# KiCad board yddraig030.kicad_pcb (continued)
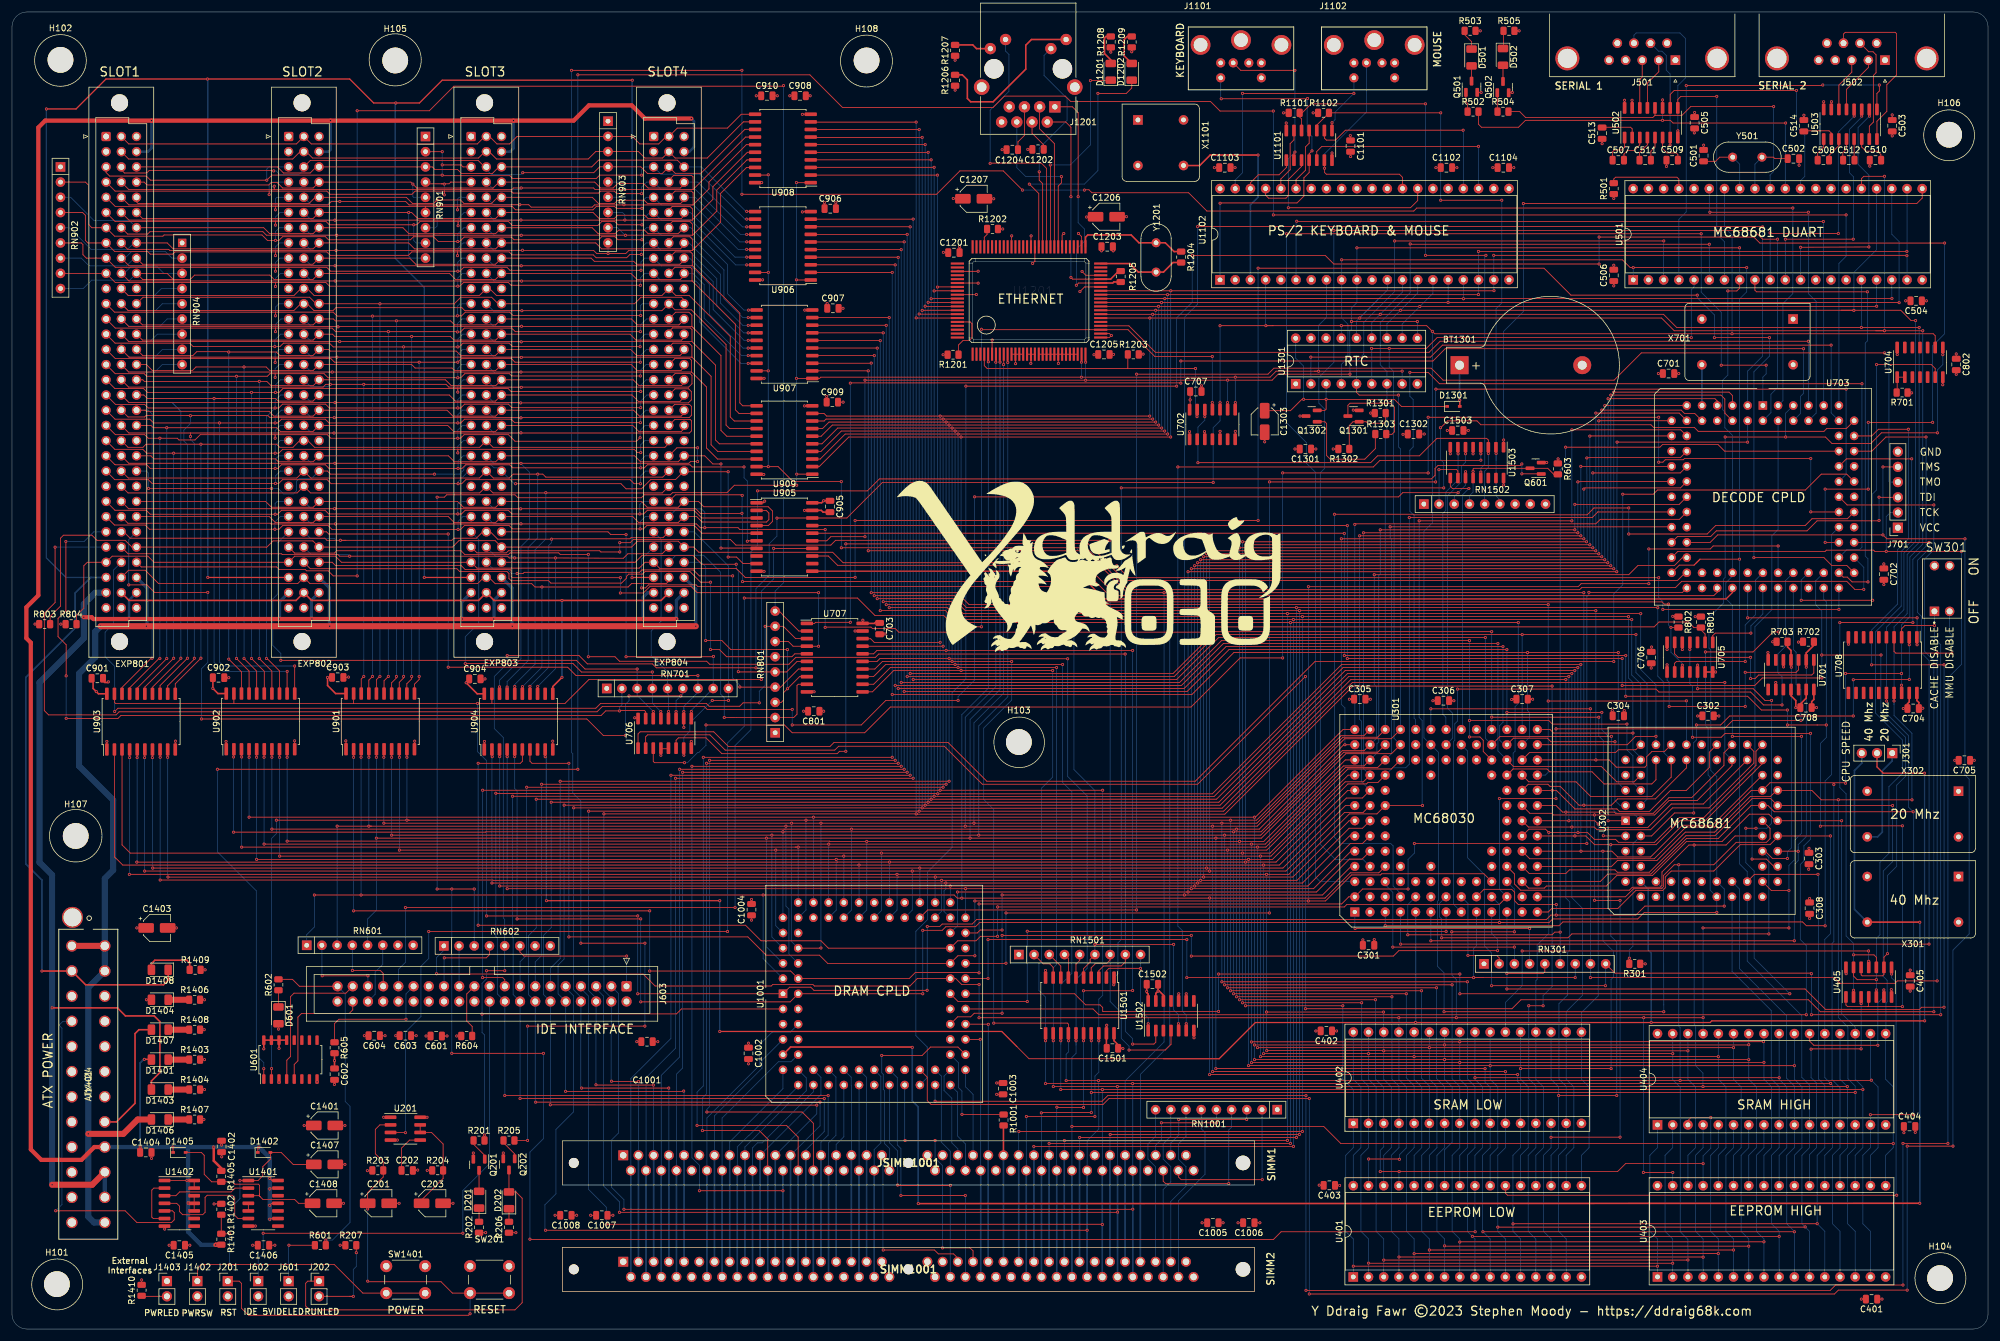
[diagram p0: board, top side]
## Routing (per net, layer and track width the routed paths; a pad name or vN(x,y) marks a point on that pad's centre or on a via; arc(x,y) is an arc through that point) (continued)
  Bottom w0.254: JSIMM1001.24 SIMM1001.24
/ROM and SRAM/D7: length 379
  Top w0.127: v1(147.5,107.5) 195.3,107.5 202.3,114.5 v1(248.15,114.5) ; U301.L11 250.76,93.95 265.45,93.95 268,91.4 270.89,91.4 U302.64 ; v1(116.05,36.25) 131.95,36.25 133.83,34.37 JSIMM1001.26 ; v1(147.5,95) v1(116.5,95) ; U906.3 147.48,177.77 v1(147.5,177.75)
  Bottom w0.127: v1(147.5,177.75) v1(147.5,107.5) v1(147.5,95) ; U301.L11 248.15,96.56 v1(248.15,114.5) ; v1(116.05,36.25) 116.05,36.7 116.5,37.15 v1(116.5,95)
  Bottom w0.254: SIMM1001.26 JSIMM1001.26
/ROM and SRAM/D8: length 379.9
  Top w0.127: U301.N13 256.86,100.14 257.45,99.55 v1(270.7,99.55) ; v1(146,167.65) 145.97,167.68 U907.8 ; v1(168.15,33) v1(215.5,33) ; v1(146,121) 156.6,121 158.6,119 v1(215.5,119) v1(269.95,119)
  Bottom w0.127: U302.62 272.01,95.44 270.7,96.75 v1(270.7,99.55) 270.7,100.13 270.69,100.14 270.69,108.01 269.95,108.75 v1(269.95,119) ; v1(168.15,33) 168.12,32.97 JSIMM1001.49 ; v1(146,167.65) v1(146,121) ; v1(215.5,33) v1(215.5,119)
  Bottom w0.254: JSIMM1001.49 SIMM1001.49
/ROM and SRAM/D9: length 379.1
  Top w0.127: U301.M11 253.43,96.3 267.8,96.3 268.26,96.76 271.17,96.76 U302.60 ; v1(170.65,30.5) v1(214,30.5) ; v1(270.5,118.5) v1(214,118.5) 158.2,118.5 156.2,120.5 v1(146.5,120.5) ; v1(146.5,168.95) 146.5,168.94 U907.9
  Bottom w0.127: U302.60 272.01,107.74 270.5,109.25 v1(270.5,118.5) ; v1(146.5,168.95) v1(146.5,120.5) ; JSIMM1001.51 170.66,30.49 v1(170.65,30.5) ; v1(214,30.5) v1(214,118.5)
  Bottom w0.254: JSIMM1001.51 SIMM1001.51
/ROM and SRAM/D10: length 367.1
  Top w0.127: v1(145,165.1) 144.97,165.13 U907.6 ; U302.59 274.55,91.75 273.85,91.05 265.9,91.05 263.88,93.07 256.82,93.07 256.35,93.55 250.68,93.55 U301.L10 ; v1(145,120) 155.9,120 157.9,118 v1(213.5,118) v1(251.55,118) ; v1(173.2,31) v1(213.5,31)
  Bottom w0.127: v1(213.5,31) v1(213.5,118) ; v1(251.55,118) 251.55,104.5 251.01,103.96 251.01,96.51 250.7,96.2 250.7,93.57 U301.L10 ; v1(145,165.1) v1(145,120) ; JSIMM1001.53 v1(173.2,31)
  Bottom w0.254: JSIMM1001.53 SIMM1001.53
/ROM and SRAM/D11: length 372.9
  Top w0.127: v1(175.75,31.5) v1(213,31.5) ; U301.N12 269.75,97.6 271.15,99 274.54,99 v1(274.55,99) ; U907.7 145.5,166.41 v1(145.5,166.4) ; v1(272,119.5) v1(213,119.5) 158.85,119.5 156.85,121.5 v1(145.5,121.5)
  Bottom w0.127: JSIMM1001.55 175.74,31.49 v1(175.75,31.5) ; U302.58 v1(274.55,99) 274.55,107.6 272,110.15 v1(272,119.5) ; v1(145.5,166.4) v1(145.5,121.5) ; v1(213,31.5) v1(213,119.5)
  Bottom w0.254: JSIMM1001.55 SIMM1001.55
/ROM and SRAM/D12: length 384.6
  Top w0.127: U302.57 277.09,92.19 273.85,88.95 263.65,88.95 261.2,91.4 253.31,91.4 U301.M10 ; U907.4 144,162.59 v1(144,162.6) ; v1(178.3,32) v1(214.5,32) ; v1(274.85,120.5) v1(214.5,120.5) 159.4,120.5 157.4,122.5 v1(144,122.5)
  Bottom w0.127: U302.57 275.85,96.3 275.85,108.05 274.85,109.05 v1(274.85,120.5) ; v1(144,122.5) v1(144,162.6) ; JSIMM1001.57 178.28,31.98 v1(178.3,32) ; v1(214.5,32) v1(214.5,120.5)
  Bottom w0.254: JSIMM1001.57 SIMM1001.57
/ROM and SRAM/D13: length 364.1
  Top w0.127: U301.N11 v1(264.51,95.06) 266.74,95.06 267.95,93.85 272.7,93.85 273,94.15 273,95.6 273.85,96.45 275.95,96.45 275.95,96.46 U302.56 ; v1(264.5,120) v1(215,120) 159.2,120 157.2,122 v1(144.5,122) ; U907.5 144.49,163.87 v1(144.5,163.85) ; v1(183.4,32.5) v1(215,32.5)
  Bottom w0.127: v1(144.5,163.85) v1(144.5,122) ; v1(264.51,95.06) 264.5,95.07 v1(264.5,120) ; JSIMM1001.61 183.36,32.46 v1(183.4,32.5) ; v1(215,32.5) v1(215,120)
  Bottom w0.254: JSIMM1001.61 SIMM1001.61
/ROM and SRAM/D14: length 345
  Top w0.127: v1(143,130) 179.25,130 186.25,123 v1(192.4,123) v1(262.5,123) ; v1(143,160.05) 143,160.06 U907.2 ; U302.55 279.63,93.73 274.45,88.55 268.15,88.55 267.1,87.5 v1(262.5,87.5) 261.7,87.5 258.55,90.65 256.85,90.65 256.5,91 253.21,91 U301.M9
  Bottom w0.127: v1(143,160.05) v1(143,130) ; v1(262.5,87.5) v1(262.5,123) ; v1(192.4,123) 192.4,47.95 185.9,41.45 JSIMM1001.63
  Bottom w0.254: SIMM1001.63 JSIMM1001.63
/ROM and SRAM/D15: length 334.3
  Top w0.127: v1(143.5,161.35) 143.47,161.32 U907.3 ; v1(143.5,123) 157.85,123 159.85,121 v1(193.35,121) v1(256.55,121) ; v1(256.55,104.9) 279.6,104.9
  Bottom w0.127: JSIMM1001.65 188.44,42.54 193.35,47.45 v1(193.35,121) ; v1(143.5,161.35) v1(143.5,123) ; v1(256.55,121) v1(256.55,104.9) 256.55,93 256.07,92.52 U301.N10 ; U302.54 v1(279.63,104.93)
  Bottom w0.254: JSIMM1001.65 SIMM1001.65
/ROM and SRAM/D16: length 528.8
  Top w0.127: v1(98.85,86.05) v1(151,86.05) 151.01,86.04 151.21,86.04 151.25,86 202.55,86 223.95,107.4 v1(257.2,107.4) ; v1(104.62,41.35) 100.18,41.35 v1(100.12,41.4) ; v1(253.3,54) v1(255.7,54) ; v1(151,201.6) 133.44,201.6 U908.9 ; U1201.95 151.03,168.88 v1(151,168.9) ; U301.N9 v1(257.23,89.98) 257.92,89.98 261.02,86.88 268.02,86.88 268.45,86.45 273.45,86.45 276.95,89.95 279.6,89.95 283.45,93.8 283.45,96.34 U302.50
  Bottom w0.127: v1(253.3,54) 253.3,41.8 254.48,40.62 U402.13 254.48,30.29 253.21,29.02 253.21,16.32 254.48,15.05 U401.13 ; v1(100.12,41.4) 100.06,41.46 100.06,49.76 100.09,49.79 J603.4 100.09,55.31 98.85,56.55 v1(98.85,86.05) ; JSIMM1001.3 104.62,41.34 v1(104.62,41.35) ; v1(151,168.9) 151,169.5 ; 151,169.5 v1(151,86.05) ; 151,169.5 v1(151,201.6) ; 257.2,89.45 257.2,57.2 255.7,55.7 v1(255.7,54) ; 257.2,89.45 257.2,89.75 ; 257.2,89.45 v1(257.2,107.4)
  Bottom w0.254: JSIMM1001.3 SIMM1001.3
/ROM and SRAM/D17: length 572.4
  Top w0.127: v1(151.5,200.35) 133.42,200.35 U908.8 ; v1(151.5,169.55) 151.53,169.53 U1201.94 ; v1(107.12,40.75) 97.58,40.75 v1(97.53,40.8) ; v1(264.28,71.62) 264.3,71.6 v1(268.55,71.6) ; v1(96.3,86.5) 96.21,86.51 151.49,86.51 v1(151.5,86.5) 202.35,86.5 223.85,108 v1(286.05,108) ; v1(268.55,32.05) 257.05,32.05 v1(257.02,32.02) ; U301.M8 253.48,86.15 257.15,86.15 257.43,85.87 v1(264.28,85.87) 274.32,85.87 276.75,88.3 281.45,88.3 287.25,94.1 U302.49
  Bottom w0.127: v1(96.3,86.5) 96.3,56.53 97.55,55.28 J603.6 97.55,49.35 97.53,49.32 v1(97.53,40.8) ; U302.49 286.05,96.26 v1(286.05,108) ; U401.14 257.02,15.05 255.75,16.32 255.75,29.02 257.02,30.29 v1(257.02,32.02) U402.14 ; v1(107.12,40.75) 107.16,40.72 JSIMM1001.5 ; v1(264.28,85.87) v1(264.28,71.62) ; v1(151.5,86.5) v1(151.5,169.55) v1(151.5,200.35) ; v1(268.55,32.05) v1(268.55,71.6)
  Bottom w0.254: JSIMM1001.5 SIMM1001.5
/ROM and SRAM/D18: length 543.5
  Top w0.127: 133.4,199.1 133.45,199.05 v1(152,199.05) ; U302.48 285.9,96.25 285.9,94.15 280.5,88.75 276.7,88.75 274.1,86.15 267.8,86.15 267.6,86.35 v1(259.5,86.35) 258.95,86.35 257.86,87.44 U301.N8 ; v1(93.8,87.05) v1(152,87.05) 152.05,87 202.1,87 223.6,108.5 v1(259.5,108.5) ; v1(152,170.15) 152.03,170.18 U1201.93 ; v1(109.68,40.25) v1(95.12,40.25)
  Bottom w0.127: U401.15 259.56,15.05 258.29,16.32 258.29,29.02 259.56,30.29 U402.15 259.56,40.54 258.35,41.75 258.35,54.35 259.8,55.8 259.8,62.9 260.15,63.25 260.15,71.35 259.5,72 v1(259.5,86.35) v1(259.5,108.5) ; v1(95.12,40.25) 94.98,40.39 94.98,49.37 95.01,49.39 J603.8 95.01,55.44 93.75,56.7 93.75,87 v1(93.8,87.05) ; v1(152,87.05) v1(152,170.15) v1(152,199.05) ; v1(109.68,40.25) 109.7,40.22 JSIMM1001.7
  Bottom w0.254: JSIMM1001.7 SIMM1001.7
/ROM and SRAM/D19: length 535.5
  Top w0.127: v1(152.5,197.85) 133.41,197.85 U908.6 ; U1201.92 152.53,170.82 v1(152.5,170.85) ; U301.N7 v1(260,84.9) 264.35,84.9 v1(264.9,84.35) 265.45,83.8 273.2,83.8 277.1,87.7 282.45,87.7 289.79,95.04 U302.47 ; v1(92.21,87.51) 152.49,87.51 v1(152.5,87.5) 201.75,87.5 223.25,109 v1(260,109) ; v1(112.18,39.75) 112.12,39.7 v1(92.45,39.7)
  Bottom w0.127: U401.17 262.1,29.02 263.37,30.29 263.37,40.45 262.1,41.72 U402.17 262.1,52.85 264.9,55.65 v1(264.9,84.35) ; v1(92.21,87.51) 92.2,87.5 92.2,61.8 91.2,60.8 91.2,55.98 J603.10 92.47,49.47 92.44,49.44 92.44,39.73 v1(92.45,39.7) ; JSIMM1001.9 112.24,39.69 v1(112.18,39.75) ; v1(152.5,197.85) v1(152.5,170.85) v1(152.5,87.5) ; v1(260,109) v1(260,84.9)
  Bottom w0.254: SIMM1001.9 JSIMM1001.9
/ROM and SRAM/D20: length 573.5
  Top w0.127: v1(260.5,109.5) 223.05,109.5 201.55,88 v1(153,88) v1(90.05,88) ; U301.M7 253.24,83.85 264.25,83.85 264.7,83.4 273.65,83.4 277.3,87.05 283.4,87.05 290.9,94.55 290.9,96.49 U302.46 ; v1(153,196.55) 133.41,196.55 133.4,196.56 ; U1201.91 153.03,171.47 v1(153,171.5) ; v1(134.4,37.4) v1(89.9,37.45)
  Bottom w0.127: v1(153,196.55) v1(153,171.5) v1(153,88) ; v1(89.9,37.45) 89.93,37.63 J603.12 88.75,55.89 88.75,65.75 90.05,67.05 v1(90.05,88) ; JSIMM1001.21 134.4,35.94 v1(134.4,37.4) ; U401.18 259.56,29.02 260.83,30.29 260.83,40.45 259.56,41.72 U402.18 259.56,53.01 262.3,55.75 262.3,70.25 260.5,72.05 v1(260.5,83.85) v1(260.5,109.5)
  Bottom w0.254: SIMM1001.21 JSIMM1001.21
/ROM and SRAM/D21: length 592.3
  Top w0.127: v1(153.5,172.1) 153.53,172.12 U1201.90 ; v1(87.55,88.5) v1(153.5,88.5) 201.15,88.5 222.65,110 v1(261,110) ; v1(268,39) 258.3,39 v1(258.29,39.01) ; U301.N6 v1(261.01,82.36) 262.84,82.36 264.3,80.9 v1(267,80.9) 274.55,80.9 278.55,84.9 282.75,84.9 292.33,94.48 U302.45 ; U908.4 133.4,195.3 v1(153.5,195.3) ; v1(134.95,37.9) v1(87.45,37.9)
  Bottom w0.127: v1(153.5,195.3) v1(153.5,172.1) v1(153.5,88.5) ; v1(261.01,82.36) 261,82.37 v1(261,110) ; v1(134.95,37.9) 134.95,33.95 JSIMM1001.23 ; v1(267,80.9) 267,65.65 268,64.65 v1(268,39) ; v1(87.55,88.5) 87.55,67 86.25,65.7 86.25,55.85 J603.14 87.39,37.96 v1(87.45,37.9) ; U402.19 257.02,41.72 258.29,40.45 v1(258.29,39.01) 258.29,30.29 257.02,29.02 U401.19
  Bottom w0.254: SIMM1001.23 JSIMM1001.23
/ROM and SRAM/D22: length 585
  Top w0.127: U302.44 291.25,96.52 291.25,94.15 282.55,85.45 278.45,85.45 274.3,81.3 268.3,81.3 267.8,81.8 264.25,81.8 263.12,82.93 v1(261.52,82.93) 256.68,82.93 v1(256.65,82.95) 256.1,83.5 253.33,83.5 U301.M6 ; v1(83.6,89) v1(154,89) 154.06,88.94 200.74,88.94 222.3,110.5 v1(261.5,110.5) ; v1(154,194.05) 133.42,194.05 133.4,194.03 ; v1(135.65,38.5) v1(84.85,38.5) ; U1201.88 154.03,173.43 v1(154,173.4)
  Bottom w0.127: v1(83.6,89) 83.6,65.4 83.7,65.3 83.7,55.86 J603.16 v1(84.85,38.5) ; v1(154,89) v1(154,173.4) v1(154,194.05) ; JSIMM1001.25 132.56,29.91 135.65,33 v1(135.65,38.5) ; v1(256.65,82.95) 256.65,66.1 254.7,64.15 254.7,58.4 254.48,58.18 U402.20 254.48,41.72 255.75,40.45 255.75,30.29 254.48,29.02 U401.20 ; v1(261.52,82.93) 261.5,82.95 v1(261.5,110.5)
  Bottom w0.254: JSIMM1001.25 SIMM1001.25
/ROM and SRAM/D23: length 605.3
  Top w0.127: v1(136.3,39) v1(82.3,39) ; v1(262,111) 222.05,111 200.45,89.4 v1(154.6,89.4) 154.54,89.46 80.84,89.46 v1(80.8,89.5) ; U301.N5 v1(262.03,79.82) v1(265.68,79.82) 267.18,79.82 268.15,78.85 273.65,78.85 278.95,84.15 283.96,84.15 U302.42 ; v1(154.55,174.05) 154.57,174.07 U1201.87 ; v1(251.94,43.51) 251.95,43.5 v1(267.05,43.5) ; U908.2 133.4,192.75 v1(154.55,192.75)
  Bottom w0.127: U401.21 251.94,29.02 253.21,30.29 253.21,40.45 251.94,41.72 v1(251.94,43.51) U402.21 ; JSIMM1001.27 135.1,31.2 136.3,32.4 v1(136.3,39) ; v1(262,111) 262,79.85 v1(262.03,79.82) ; v1(80.8,89.5) 80.8,65.6 81.05,65.35 81.05,55.97 J603.18 82.31,39.01 v1(82.3,39) ; v1(154.55,192.75) v1(154.55,174.05) 154.55,89.45 v1(154.6,89.4) ; v1(267.05,43.5) 267.05,58.4 267.45,58.8 267.45,63.1 265.7,64.85 265.7,79.8 v1(265.68,79.82)
  Bottom w0.254: JSIMM1001.27 SIMM1001.27
/ROM and SRAM/D24: length 804.2
  Top w0.127: U501.25 308.85,192.15 309.25,192.55 v1(312.7,192.55) ; 142.05,115.32 142.07,115.3 143.4,115.3 144,114.7 v1(155,114.7) ; U909.9 135.6,152.94 136.05,152.5 v1(155,152.5) v1(190,152.5) ; J603.17 82.3,57.26 82.3,58.35 81.95,58.7 v1(78.6,58.7) ; U1501.18 v1(181.5,48.15) ; 311.25,166.75 v1(319.1,166.75) ; 311.25,166.75 277.6,166.75 275.48,168.88 v1(225.07,168.88) v1(190.03,168.88) U1201.36 ; 311.25,166.75 v1(312.7,166.75) ; v1(306.2,91.18) 306.12,91.25 293.6,91.25 U302.40 290.48,89.98 284.35,83.85 279.55,83.85 274.25,78.55 253.46,78.55 U301.M5 ; U708.18 315.57,107.53 v1(315.55,107.55) ; v1(180.85,35.5) v1(169.4,35.5) ; v1(78.6,90) v1(155,90) v1(182.15,90) ; v1(306.2,109.5) v1(315.55,109.5)
  Bottom w0.127: v1(225.07,168.88) 225.07,168.93 228.05,171.9 ; v1(304.25,90.95) 304.25,64.7 303.95,64.4 303.95,41.65 305.28,40.32 U404.13 305.28,30.29 304.01,29.02 304.01,17.59 305.28,16.32 U403.13 ; v1(182.15,90) 182.15,55.75 181.5,55.1 181.5,47.65 ; v1(155,90) v1(155,114.7) 155,115.3 155,115.31 v1(155,152.5) ; 228.05,171.9 224.54,168.39 U1301.14 ; 228.05,171.9 229.68,173.53 U1102.12 ; v1(319.1,166.75) 319.1,131.12 316.95,128.97 316.95,119 315.55,117.6 v1(315.55,109.5) v1(315.55,107.55) ; v1(78.6,58.7) v1(78.6,90) ; v1(190.03,168.88) 190.03,152.53 v1(190,152.5) ; 181.5,47.65 181.5,42.9 180.85,42.25 v1(180.85,35.5) ; 181.5,47.65 v1(181.5,48.15) ; v1(169.4,35.5) 169.39,35.49 JSIMM1001.50 ; v1(306.2,91.18) v1(306.2,109.5) ; v1(312.7,192.55) v1(312.7,166.75)
  Bottom w0.254: SIMM1001.50 JSIMM1001.50
/ROM and SRAM/D25: length 821
  Top w0.127: v1(180.25,48.15) 180.23,48.17 U1501.17 ; v1(318.5,167.3) 278,167.3 275.8,169.5 v1(190.5,169.5) 181.84,169.5 U1201.37 ; U909.8 135.62,151.68 135.95,152 v1(155.5,152) v1(190.5,152) ; v1(180.25,39.5) 307.8,39.5 v1(307.82,39.52) ; U708.17 314.31,104.91 v1(314.3,104.9) ; v1(180.25,36.15) 171.95,36.15 v1(171.9,36.1) ; U301.N4 267.13,77.28 268.1,78.25 274.7,78.25 279.45,83 284.35,83 290.3,88.95 293.65,88.95 294.68,89.98 U302.39 300.57,89.98 302.15,88.4 v1(305,88.4) v1(317.3,88.4) ; v1(155.5,90.5) v1(85.95,90.5) ; v1(155.5,114.05) 155.5,114.06 U707.17
  Bottom w0.127: v1(155.5,152) v1(155.5,114.05) v1(155.5,90.5) ; U1301.13 227.08,168.08 v1(228.5,169.5) 232.22,173.22 U1102.13 ; v1(308.85,167.3) U501.16 ; 314.3,104.3 314.3,102.5 317.3,99.5 v1(317.3,88.4) ; 314.3,104.3 314.3,117.3 316.5,119.5 316.5,129.39 318.5,131.39 v1(318.5,167.3) ; 314.3,104.3 v1(314.3,104.9) ; v1(171.9,36.1) 171.93,36.07 JSIMM1001.52 ; v1(85.95,90.5) 85.95,62.45 84.85,61.35 J603.15 ; v1(305,88.4) 305,52.05 306.6,50.45 306.6,41.8 307.82,40.58 v1(307.82,39.52) U404.14 307.82,30.29 306.55,29.02 306.55,17.59 307.82,16.32 U403.14 ; v1(190.5,169.5) v1(190.5,152) ; v1(180.25,48.15) v1(180.25,39.5) v1(180.25,36.15)
  Bottom w0.254: SIMM1001.52 JSIMM1001.52
/ROM and SRAM/D26: length 817.8
  Top w0.127: v1(187.15,56.55) 187.1,56.5 v1(178.95,56.5) ; v1(317.5,86.4) 294.3,86.4 293.26,87.44 U302.38 290.44,87.44 284.95,81.95 279.65,81.95 273.7,76 266.5,76 265.24,74.74 U301.N3 ; v1(178.95,48.15) 178.96,48.16 U1501.16 ; U909.7 135.35,150.41 136.45,151.5 v1(156,151.5) v1(191,151.5) ; v1(88.45,91) v1(156,91) ; v1(317.6,35.8) v1(310.35,35.8) ; 305.52,170.18 315.43,170.18 317.15,168.45 v1(317.9,168.45) ; 305.52,170.18 307.57,170.18 v1(307.6,170.15) ; 305.52,170.18 v1(191,170.18) U1201.38 ; v1(187.15,113.35) v1(156,113.35) 144.45,113.35 143.88,112.78 U707.16 ; 313.04,106.25 313.04,104.91 v1(313.05,104.9) ; v1(174.5,37.05) 174.55,37 v1(178.95,37)
  Bottom w0.127: JSIMM1001.54 174.47,37.02 v1(174.5,37.05) ; 178.95,47.5 v1(178.95,37) ; 178.95,47.5 v1(178.95,56.5) ; 178.95,47.5 v1(178.95,48.15) ; U403.15 310.36,16.32 309.09,17.59 309.09,29.02 310.36,30.29 U404.15 310.36,35.79 v1(310.35,35.8) ; v1(191,170.18) v1(191,151.5) ; v1(88.45,91) 88.45,62.4 87.39,61.34 J603.13 ; U501.24 311.39,180.29 307.6,176.5 v1(307.6,170.15) ; U1102.14 234.76,173.06 v1(231.88,170.18) 229.62,167.92 U1301.12 ; v1(317.9,168.45) 317.9,131.56 315.95,129.61 315.95,120.15 313.05,117.25 v1(313.05,104.9) 313.05,102.8 316.7,99.15 316.7,87.2 v1(317.5,86.4) 317.59,86.31 317.59,35.81 v1(317.6,35.8) ; v1(156,151.5) v1(156,113.35) v1(156,91) ; v1(187.15,113.35) v1(187.15,56.55)
  Bottom w0.254: SIMM1001.54 JSIMM1001.54
/ROM and SRAM/D27: length 798.1
  Top w0.127: U707.15 144.47,111.51 144.95,112 v1(156.5,112) 156.54,111.96 176.29,111.96 v1(176.3,111.95) ; v1(177.7,48.15) 177.69,48.16 U1501.15 ; U301.M4 253.37,76.1 259.5,76.1 260.1,76.7 267.7,76.7 268.1,76.3 273.45,76.3 279.55,82.4 284.4,82.4 290.6,88.6 293.71,88.6 U302.37 v1(314.06,87.44) ; v1(156.5,91.5) v1(91.55,91.5) ; v1(314.17,30.98) 314.15,31 221.9,31 219.05,33.85 177.02,33.85 v1(177.01,33.84) ; v1(311.4,170.85) 311.38,170.82 v1(191.47,170.82) U1201.39 ; v1(191.5,151) v1(156.5,151) 137,151 135.13,149.13 U909.6
  Bottom w0.127: v1(156.5,151) v1(156.5,112) v1(156.5,91.5) ; JSIMM1001.56 v1(177.01,33.84) 177.01,37.99 177,38 177,45.35 177.7,46.05 177.7,47.45 ; v1(176.3,111.95) 176.3,92.3 179.55,89.05 179.55,60.25 177.7,58.4 177.7,47.45 ; v1(191.5,151) 191.5,170.8 v1(191.47,170.82) ; U501.17 311.39,170.86 v1(311.4,170.85) ; 177.7,47.45 v1(177.7,48.15) ; v1(314.06,87.44) 314.05,87.43 314.05,78.05 312.5,76.5 312.5,58.9 313.15,58.25 313.15,54.65 312.95,54.45 312.95,49.39 U404.17 312.9,41.72 314.17,40.45 v1(314.17,30.98) 314.17,30.29 312.9,29.02 U403.17 ; U1301.11 232.16,167.86 v1(235.1,170.8) 237.3,173 U1102.15 ; v1(91.55,91.5) 91.55,61.9 89.93,60.28 J603.11
  Bottom w0.254: SIMM1001.56 JSIMM1001.56
/ROM and SRAM/D28: length 798.6
  Top w0.127: U301.N2 269.45,72.2 270.8,73.55 275.45,73.55 275.8,73.9 275.8,75.75 277.6,77.55 v1(278.35,77.55) 284.2,77.55 287.95,81.3 293,81.3 293.6,81.9 293.6,83.63 U302.36 ; U1201.40 v1(191.97,171.47) v1(239.82,171.47) 315.12,171.47 v1(315.15,171.45) ; v1(310.51,41.56) 310.47,41.52 v1(278.58,41.52) 176.07,41.52 v1(176.05,41.5) ; v1(166.95,111.5) v1(157,111.5) 145.35,111.5 144.09,110.25 U707.14 ; U909.5 135.26,147.87 137.9,150.5 v1(157,150.5) v1(192,150.5) ; v1(163.95,51.1) 176.25,51.1 176.42,50.93 U1501.14 176.42,48.18 v1(176.45,48.15) ; v1(89.1,16.5) v1(179.55,16.5)
  Bottom w0.127: v1(191.97,171.47) 192,171.45 v1(192,150.5) ; U404.18 310.36,41.72 v1(310.51,41.56) 311.63,40.45 311.63,30.29 310.36,29.02 U403.18 ; v1(157,111.5) v1(157,150.5) ; J603.9 92.47,56.98 93.75,55.7 93.75,36.25 90.85,33.35 90.85,22.6 89,20.75 89,16.6 v1(89.1,16.5) ; v1(278.58,41.52) 278.58,50.37 278.35,50.6 v1(278.35,77.55) ; U501.23 313.93,182.87 315.15,181.65 v1(315.15,171.45) ; v1(163.95,51.1) 163.95,86.8 162.28,88.47 162.28,100.38 166.95,105.05 v1(166.95,111.5) ; v1(181.45,41.5) 181.5,39.25 181.5,33.4 179.55,31.45 JSIMM1001.58 ; v1(176.05,41.5) 176.05,45.9 176.45,46.3 v1(176.45,48.15) ; v1(239.82,171.47) 239.84,171.49 U1102.16
  Bottom w0.254: JSIMM1001.58 v1(179.55,16.5) SIMM1001.58
/ROM and SRAM/D29: length 840.8
  Top w0.127: U909.4 135.09,146.59 138.5,150 v1(157.5,150) v1(192.5,150) ; U1501.13 v1(175.15,48.15) ; v1(99.25,17.5) 182.05,17.5 v1(182.09,17.46) ; v1(309.1,40) v1(182.1,40) v1(175.15,40) ; U301.M3 253.28,73.65 255.9,73.65 256.25,74 266.25,74 268,75.75 273.95,75.75 279.65,81.45 285.6,81.45 290.15,86 293.4,86 294.5,84.9 U302.35 v1(305.55,84.9) ; U707.13 143.88,108.97 145.9,111 v1(157.5,111) v1(175.45,111) ; v1(313.95,172.15) 313.93,172.12 v1(192.53,172.12) U1201.41 242.38,172.12 v1(242.4,172.1)
  Bottom w0.127: J603.7 95.01,56.89 96.3,55.6 96.3,23.3 99.25,20.35 v1(99.25,17.5) ; v1(182.1,40) 182.09,39.99 JSIMM1001.60 ; 175.15,47.6 v1(175.15,40) ; 175.15,47.6 v1(175.15,48.15) ; 175.15,47.6 175.15,57.55 177,59.4 177,89.75 175.45,91.3 v1(175.45,111) ; v1(192.53,172.12) 192.53,150.03 v1(192.5,150) ; v1(313.95,172.15) 313.93,172.17 U501.18 ; v1(242.4,172.1) 242.38,172.12 U1102.17 ; v1(305.55,84.9) 305.55,52.7 307.82,50.43 U404.19 307.82,41.72 309.09,40.45 v1(309.1,40) 309.09,30.29 307.82,29.02 U403.19 ; v1(157.5,111) v1(157.5,150)
  Bottom w0.254: SIMM1001.60 v1(182.09,17.46) JSIMM1001.60
/ROM and SRAM/D30: length 785.9
  Top w0.127: v1(244.9,180) v1(316.45,180) ; v1(173.9,40.5) v1(184.6,40.5) v1(282.4,40.5) v1(306.5,40.5) ; U707.12 143.91,107.71 146.7,110.5 v1(158,110.5) v1(174.45,110.5) ; U909.3 134.97,145.32 139.15,149.5 v1(158,149.5) v1(193,149.5) ; U301.L4 250.9,76.03 250.9,74.35 251.95,73.3 270.1,73.3 270.6,73.8 275.25,73.8 275.55,74.1 275.55,76.35 280.05,80.85 v1(280.93,80.85) 286.25,80.85 287.76,82.36 U302.34 ; U1501.12 173.88,48.17 v1(173.9,48.15) ; v1(101.45,19.5) 184.6,19.5 v1(184.63,19.53) ; 181.81,172.78 v1(192.97,172.78) 244.88,172.78 v1(244.9,172.8)
  Bottom w0.127: v1(316.45,180) 316.47,180.02 U501.22 ; v1(174.45,110.5) 174.45,60.9 173.9,60.35 173.9,47.8 ; v1(244.9,180) 244.92,179.98 U1102.18 244.92,172.82 v1(244.9,172.8) ; U403.20 305.28,29.02 306.55,30.29 306.55,40.45 305.28,41.72 U404.20 ; 173.9,47.8 v1(173.9,48.15) ; 173.9,47.8 v1(173.9,40.5) ; v1(193,149.5) 193,172.75 v1(192.97,172.78) ; v1(280.93,80.85) 280.93,50.93 281.18,50.68 281.18,43.97 282.4,42.75 v1(282.4,40.5) ; v1(101.45,19.5) 101.45,21.25 98.8,23.9 98.8,55.6 97.55,56.85 J603.5 ; v1(158,110.5) v1(158,149.5) ; v1(184.6,40.5) 184.63,40.47 JSIMM1001.62
  Bottom w0.254: SIMM1001.62 v1(184.63,19.53) JSIMM1001.62
/ROM and SRAM/D31: length 778.6
  Top w0.127: U1201.43 v1(193.53,173.43) 247.48,173.43 v1(247.5,173.45) ; v1(303.73,41.03) 303.7,41 v1(187.15,41) v1(172.6,41) ; v1(247.45,179.35) 316.4,179.35 v1(316.45,179.3) ; U909.2 134.81,144.06 139.75,149 v1(158.5,149) v1(193.5,149) ; v1(303.69,82.36) U302.33 294.87,82.17 293.6,80.9 288.6,80.9 284.2,76.5 277.1,76.5 276.1,75.5 276.1,73.7 275.65,73.25 271.18,73.25 268.18,70.25 257.15,70.25 256.56,69.66 U301.N1 ; U707.11 143.69,106.44 147.25,110 v1(158.5,110) v1(173.8,110) ; v1(102.2,20) 187.15,20 v1(187.17,20.02) ; v1(172.6,48.15) 172.61,48.16 U1501.11
  Bottom w0.127: JSIMM1001.64 187.17,40.98 v1(187.15,41) ; v1(303.69,82.36) 303.69,66.04 302.74,65.09 U404.21 302.74,42.01 v1(303.73,41.03) 304.01,40.74 304.01,30.29 302.74,29.02 U403.21 ; 172.6,47.25 172.6,55.45 171.5,56.55 171.5,61.15 171.95,61.6 171.95,90.35 173.8,92.2 v1(173.8,110) ; 172.6,47.25 v1(172.6,48.15) ; 172.6,47.25 v1(172.6,41) ; v1(158.5,110) v1(158.5,149) ; v1(316.45,179.3) 316.47,179.28 U501.19 ; v1(193.53,173.43) 193.5,173.4 v1(193.5,149) ; v1(247.5,173.45) 247.46,173.49 U1102.19 247.46,179.34 v1(247.45,179.35) ; J603.3 101.3,56.04 101.3,32.75 100.1,31.55 100.1,23.7 102.2,21.6 v1(102.2,20)
  Bottom w0.254: SIMM1001.64 v1(187.17,20.02) JSIMM1001.64
/Serial/RXDA: length 60.8
  Top w0.127: v1(294.2,204.2) 280.35,204.2 278.88,202.74 274.38,202.74 ; R504.2 251.8,203.35 252.8,202.35 274,202.35 274.38,202.74 ; 274.38,202.74 274.38,204.07
  Bottom w0.127: v1(294.2,204.2) 294.2,193.35 293.6,192.75 293.61,192.74 U501.31
/Serial/TXDA: length 69.9
  Top w0.127: 275.65,204.07 275.65,205.3 v1(275.65,205.3) ; v1(296.2,201.45) 277.4,201.45 276.95,201.9 v1(275.65,201.9) 252.75,201.9 251.6,200.75 245.4,200.75 244.91,201.24 R502.2
  Bottom w0.127: v1(275.65,205.3) v1(275.65,201.9) ; v1(296.2,201.45) 296.15,201.4 U501.30
Net-(BT1301-Pad1): length 6.9
  Top w0.254: D1301.2 v1(241.78,155.13)
  Bottom w0.127: 241.75,155.16 v1(241.78,155.13)
  Bottom w0.254: BT1301.1 241.75,155.16
Net-(C201-Pad1): length 103.1
  Top w0.127: SW201.2 SW201.2 73.55,6 71.65,7.9 59.5,7.9 v1(59.4,8) ; J201.1 37.95,8 38.35,7.6 38.35,3.45 39.5,2.3 76.25,2.3 v1(76.5,2.55) ; v1(59.4,20.05) C201.1 59.4,22.8 62,25.4 R203.2 62,27.95 60.68,29.27 60.68,33.34 61.44,34.1 U201.2
  Bottom w0.127: v1(59.4,8) v1(59.4,20.05) ; v1(76.5,2.55) SW201.2
Net-(C202-Pad1): length 7.4
  Top w0.127: 68.17,31.56 66.39,31.56 65.05,30.22 C202.1
Net-(C203-Pad1): length 17.3
  Top w0.127: C203.1 68.4,21.55 72,25.15 R204.2 72,30.91 70.08,32.83 68.17,32.83 68.17,34.1
Net-(C501-Pad1): length 10.9
  Top w0.127: C501.1 284.5,195.05 285.2,195.75 Y501.1
  Bottom w0.127: Y501.1 288.53,194.57 U501.33
Net-(C502-Pad1): length 10.2
  Top w0.127: C502.1 294.4,195.5 294.15,195.75 Y501.2
  Bottom w0.127: U501.32 291.07,194.57 Y501.2
Net-(C507-Pad1): length 5.2
  Top w0.127: C507.1 267.3,196.65 267.6,196.95 268.85,196.95 269.31,197.41 269.31,198.93
Net-(C507-Pad2): length 5.4
  Top w0.127: C507.2 269.2,196.25 269.8,196.85 270.9,196.85 271.85,197.8 271.85,198.93
Net-(C508-Pad1): length 3.8
  Top w0.127: 302.56,198.68 302.56,197.41 301.55,196.4 C508.1
Net-(C508-Pad2): length 4.1
  Top w0.127: C508.2 303.45,196.05 305.1,197.69 305.1,198.68
Net-(C509-Pad1): length 5.6
  Top w0.127: C509.1 278.2,196.2 277.95,196.45 276.4,196.45 275.65,197.19 275.65,198.93
Net-(C510-Pad1): length 5.9
  Top w0.127: 308.9,198.68 308.9,197.44 309.6,196.75 311.55,196.75 312.1,196.2 312.1,195.3 C510.1
Net-(C511-Pad1): length 4.2
  Top w0.127: 273.12,198.93 273.12,197.81 271.8,196.5 C511.1
Net-(C511-Pad2): length 4
  Top w0.127: C511.2 273.7,196.75 274.38,197.44 274.38,198.93
Net-(C512-Pad1): length 3.7
  Top w0.127: C512.1 305.75,195.3 305.75,196.5 306.37,197.12 306.37,198.68
Net-(C512-Pad2): length 3.5
  Top w0.127: C512.2 307.63,195.31 307.63,198.68
Net-(C513-Pad2): length 6.7
  Top w0.127: C513.2 265.6,200.75 270.3,200.75 270.57,200.47 270.57,198.93
Net-(C514-Pad1): length 5.9
  Top w0.127: C514.1 299.35,200.15 303.45,200.15 303.82,199.78 303.82,198.68
Net-(C1202-Pad1): length 5.4
  Top w0.127: J1201.R4 170.35,199.75 172.3,197.8 C1202.1
Net-(C1204-Pad1): length 7.6
  Top w0.127: J1201.R5 169.08,199.38 168,198.3 C1204.1
Net-(C1303-Pad1): length 48.3
  Top w0.127: v1(219.46,155.3) 219.5,155.26 230.89,155.26 232.04,154.12 D1301.1 ; v1(219.46,155.3) 219.46,153.66 219.25,153.45 Q1302.2 ; v1(219.46,155.3) 219.42,155.26 215.36,155.26 213.51,153.4 C1303.1
  Bottom w0.127: v1(219.46,155.3) U1301.3 ; v1(215.7,155.3) 215.7,160.85 214.38,162.17 U1301.18
Net-(C1407-Pad1): length 25.6
  Top w0.127: v1(38.07,24.83) 39.46,24.83 U1401.1 41.1,24.81 41.88,25.59 41.88,27.12 43.15,28.38 D1402.2 44.96,29.5 46.96,27.5 C1407.1 ; R1402.1 33.77,20.91 v1(33.75,20.89)
  Bottom w0.127: v1(38.07,24.83) 38.07,21.78 37.18,20.89 v1(33.75,20.89)
